# Allegro board RK3588S_Template_LP4XD556P164SD10H2_33X33_2133MHz_H1R0_V10_20220315YWQ.brd (continued)
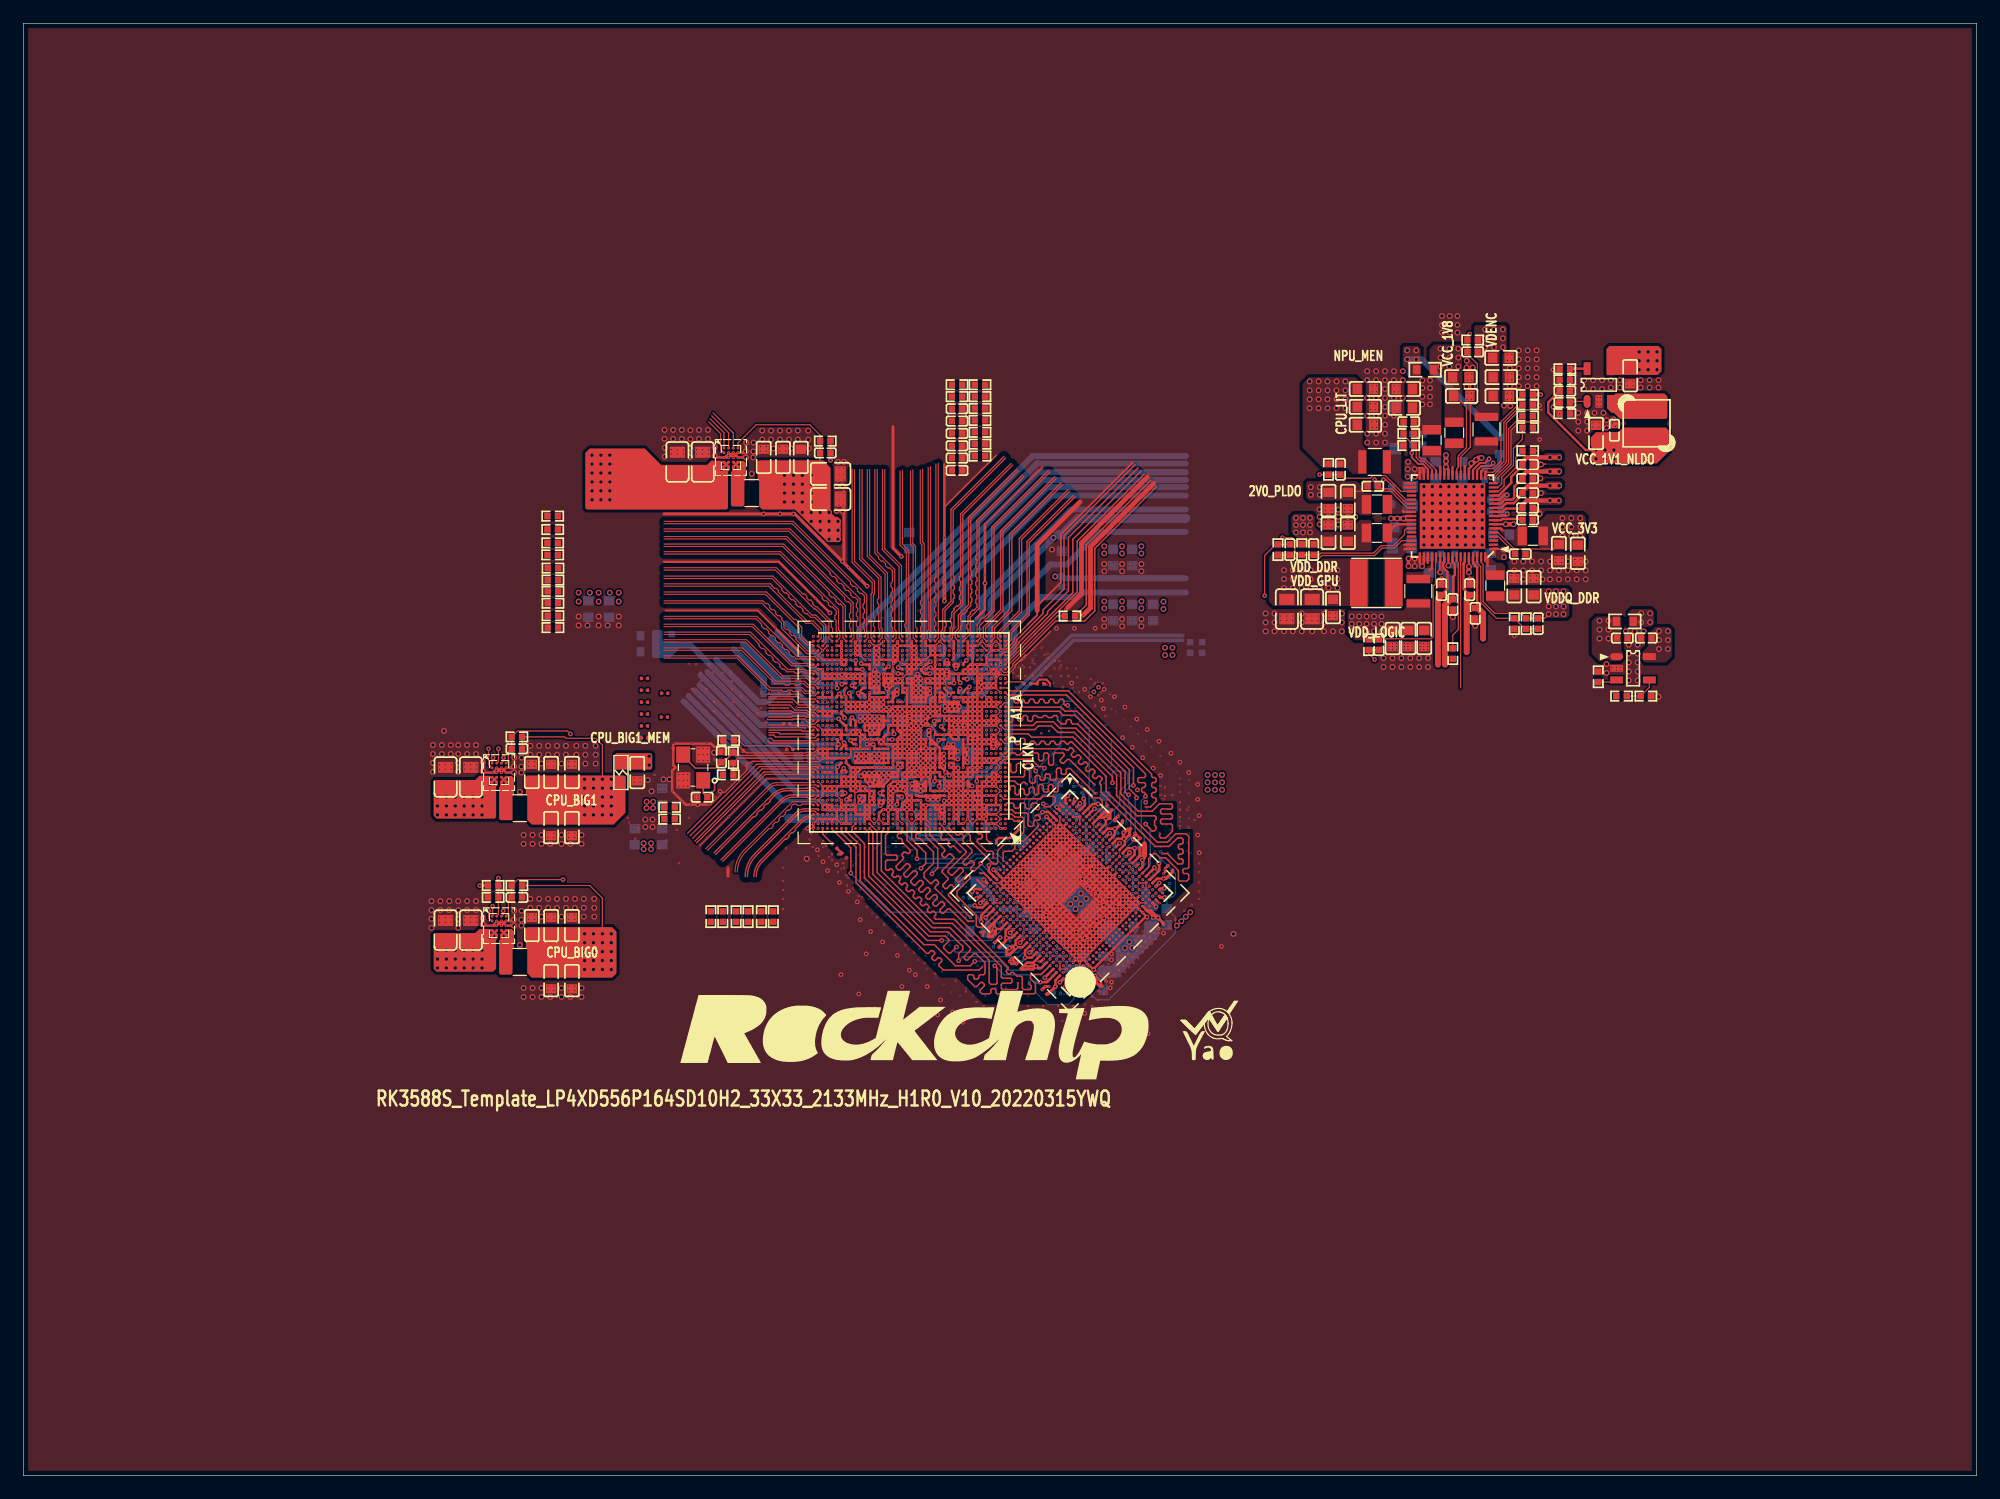
[diagram p0: board, top side]
## Copper pours and planes (outline as drawn; the poured copper is in the pictures) (continued)
VDD2_DDR_S3 on BOTTOM (solid shape): 92.96,56.96 92.96,56.3 92.67,56.01 92.39,56.01 92.29,56.12 92.16,56.19 92.14,56.19 91.95,56.39 91.95,56.64 91.82,56.77 91.57,56.77 91.44,56.9 91.44,57.15 91.57,57.15 91.89,57.04 92.16,57.25 92.17,57.28 92.65,57.28
VDD2_DDR_S3 on BOTTOM (solid shape): 82.32,47.88 82.4,47.85 82.43,47.77 82.42,47.77 82.42,47.5 83.06,46.86 83.06,46.4 82.63,45.97 81.91,45.97 81.79,46.1 81.79,46.86 81.92,46.99 81.93,47 82.19,47.33 81.95,47.67 81.91,47.68 81.91,47.75 82.04,47.88
VDD2_DDR_S3 on BOTTOM (solid shape): 97.09,47.95 97.09,47.89 97.14,47.89 97.16,47.88 97.16,47.62 97.13,47.6 97.09,47.6 97.09,47.56 97.03,47.5 97.03,46.1 93.47,42.55 92.71,42.55 92.46,42.29 91.82,42.29 91.57,42.04 91.44,42.04 91.4,42.08 91.4,42.12 91.35,42.12 91.31,42.16 91.31,42.76 91.35,42.84 91.42,42.86 91.66,42.93 91.8,43.14 91.8,43.16 91.82,43.18 91.82,43.43 91.95,43.56 92.96,43.56 93.34,43.94 93.34,44.7 91.69,46.36 91.69,46.61 92.36,47.27 92.38,47.28 92.53,47.34 92.65,47.47 92.66,47.5 92.84,47.5 94.11,46.23 95.63,46.23 95.76,46.36 95.76,47.24 95.88,47.37 96,47.37 96.14,47.37 96.19,47.42 96.34,47.63 96.31,47.88 96.3,47.91 96.39,48.01 97.03,48.01
VDD2_DDR_S3 on TOP: 119.51,88.9 121.03,88.9 121.16,89.03 121.16,93.6 120.9,93.85 118.36,93.85 118.24,93.73 118.24,90.81 118.49,90.55 118.49,88.77 118.62,88.65 119.25,88.65
VDD2_DDR_S3 on L4-POWER1: 105.03,98.68 119.63,98.68 120.71,97.6 120.71,90.49 118.74,88.52 111.63,88.52 107.44,84.33 107.44,80.52 106.81,79.88 106.81,58.42 106.68,58.29 100.08,58.29 99.82,58.55 99.82,93.47
VDD2_DDR_S3 on L5-POWER2: 80.58,50.66 89.07,59.14 90.68,59.14 92.11,60.58 102.62,60.58 103.99,59.21 103.99,50.77 93.22,40 84.45,40 80.58,43.88
VDD_0V75_S3 on TOP: 130.05,87.38 131.32,87.38 131.44,87.25 131.44,86.87 131.32,86.74 129.92,86.74 129.79,86.87 129.79,87.12
VDD_CPU_BIG0_S0 on TOP (solid shape): 50.67,46.48 50.67,42.93 50.29,42.55 43.43,42.55 43.05,42.93 43.05,44.96 42.93,45.09 42.93,46.74 43.05,46.86 50.29,46.86
VDD_CPU_BIG0_S0 on BOTTOM (solid shape): 75.06,60.45 75.06,59.79 74.75,59.49 74.18,59.49 74.18,59.42 74.05,59.42 73.66,59.03 73.56,59.03 73.5,59.05 73.47,59.05 73.41,59.05 73.15,59.05 72.9,58.8 72.52,58.8 72.14,58.42 71.88,58.42 71.88,58.8 72.01,58.93 72.19,58.93 72.21,58.98 72.21,59.09 72.23,59.12 72.25,59.17 72.39,59.31 72.39,59.56 72.29,59.67 72.27,59.65 72.24,59.67 72.08,59.68 71.95,59.6 71.93,59.59 71.92,59.59 71.84,59.59 71.76,59.56 71.4,59.56 71.39,59.57 71.27,59.59 71.16,59.57 71.15,59.56 70.76,59.56 70.68,59.59 70.61,59.59 70.59,59.59 70.48,59.69 70.48,59.94 70.53,59.95 70.59,59.97 70.64,60 70.7,60.06 71.62,60.06 71.73,60.17 71.91,60.17 71.91,60.19 72.38,60.19 72.4,60.17 72.63,60.17 72.65,60.19 72.71,60.19 72.96,60.45 74.04,60.45 74.29,60.71 74.8,60.71
VDD_CPU_BIG0_S0 on BOTTOM: 55.07,54.53 51.89,54.53 51.64,54.28 51.64,53.52 52.02,53.14 54.94,53.14 55.32,53.52 55.32,54.28
VDD_CPU_BIG0_S0 on L5-POWER2: 75.23,60.5 74.88,60.86 74.52,60.86 74.14,60.48 70.75,60.48 70.26,59.99 64.31,59.99 61.07,56.76 56.78,56.76 54.31,54.28 49.45,54.28 46.61,51.44 46.61,43.05 46.93,42.74 47.43,42.74 47.5,42.67 63.63,42.67 63.88,42.93 63.88,48.77 68.71,53.59 70.36,53.59 71.63,54.86 75.31,54.86 75.44,54.99 75.44,59.51 75.23,59.72
VDD_CPU_BIG0_S0 on L6-S2: 74.45,59.21 74.45,59.11 73.89,58.55 73.86,58.55 73.86,58.34 73.23,57.71 73.23,57.66 72.64,57.07 72.64,56.77 70.23,54.36 70.23,48.01 65.02,42.8 46.86,42.8 46.61,43.05 46.61,52.12 54.61,60.12 60.15,60.12 61.37,61.34 70.48,61.34 70.61,61.21 70.61,60.88 70.56,60.83 70.56,60.76 70.95,60.36 73.88,60.36 74.42,60.91 74.88,60.91 75.23,60.55 75.23,59.99
VDD_CPU_BIG1_MEM_S0 on TOP (solid shape): 53.72,61.59 53.72,60.45 53.59,60.33 50.55,60.33 50.55,61.59 50.67,61.72 53.59,61.72
VDD_CPU_BIG1_MEM_S0 on L6-S2: 72.91,63.29 72.97,63.22 72.97,62.1 72.85,61.97 71.11,61.97 70.76,61.62 70.71,61.62 70.69,61.59 61.24,61.59 60.02,60.38 53.29,60.38 53.21,60.45 53.21,62.99 53.51,63.29
VDD_CPU_BIG1_S0 on TOP (solid shape): 51.43,59.69 51.43,56.64 50.42,55.63 43.43,55.63 43.05,56.01 43.05,58.04 42.93,58.17 42.93,59.69 43.05,59.82 51.31,59.82
VDD_CPU_BIG1_S0 on BOTTOM (solid shape): 71.37,62.1 71.37,61.98 71.49,61.98 71.5,61.97 74.8,61.97 74.93,61.85 74.93,61.21 74.8,61.09 74.29,61.09 74.17,61.21 73.3,61.21 73.15,61.07 72.74,61.07 72.74,61.07 72.58,61.07 72.58,60.91 72.44,60.77 72.34,60.77 72.33,60.78 72.22,60.8 72.1,60.78 72.09,60.77 71.64,60.77 71.58,60.77 71.07,60.77 71.01,60.83 70.87,60.83 70.74,60.96 70.74,61.09 70.48,61.34 69.72,61.34 69.52,61.13 69.4,61.13 69.13,60.86 67.03,60.86 66.93,60.96 66.93,61.59 67.18,61.85 69.36,61.85 69.42,61.83 69.47,61.83 69.49,61.83 69.6,61.72 70.75,61.72 70.75,61.86 70.99,62.1 71.37,62.1
VDD_CPU_BIG1_S0 on BOTTOM: 53.21,56.69 54.94,56.69 55.19,56.95 55.19,57.84 55.07,57.96 53.21,57.96 52.96,57.71 52.96,56.95
VDD_CPU_BIG1_S0 on L5-POWER2: 73.38,62.73 68.07,62.73 67.81,62.99 66.55,62.99 66.42,62.87 66.42,62.86 66.29,62.73 59.82,62.73 59.05,63.5 47.24,63.5 46.99,63.25 46.99,56.77 48.84,54.91 53.97,54.91 56.83,57.77 56.91,57.77 56.97,57.84 58.12,57.84 58.37,57.58 60.91,57.58 63.99,60.66 70.65,60.66 70.87,60.88 73.23,60.88 73.38,61.04
VDD_CPU_BIG1_S0 on L8-S3: 49.1,63.93 61.54,63.93 61.8,63.68 66.42,63.68 66.55,63.55 66.55,62.74 66.93,62.36 68.58,62.36 69.09,61.85 69.98,61.85 70.23,62.1 71.75,62.1 71.88,62.23 71.88,62.48 72.01,62.61 72.64,62.61 72.77,62.48 72.77,62.23 72.9,62.1 73.15,62.1 73.28,61.98 73.28,61.21 73.15,61.09 70.74,61.09 70.36,60.71 70.1,60.71 69.21,59.82 69.21,58.55 67.82,57.15 66.55,57.15 61.21,51.82 47.62,51.82 47.12,52.32 47.12,61.95
VDD_CPU_LIT_S0 on BOTTOM (solid shape): 70.48,65.41 72.02,65.41 72.12,65.34 72.23,65.31 72.24,65.3 72.24,65.14 72.39,65.14 72.39,65.07 72.71,65.07 72.87,64.97 72.87,64.98 73.02,65.07 73.17,65.07 73.25,64.95 73.25,64.95 73.3,64.86 73.51,64.95 74.12,64.95 74.12,64.06 73.58,64.06 73.27,63.74 73.27,63.37 72.77,63.37 72.72,63.42 72.72,63.47 72.17,63.47 72.14,63.5 72.14,64.26 72.09,64.31 71.07,64.31 71.07,64.56 71.13,64.69 71.13,64.85 71.13,64.88 71.11,64.91 70.98,65.07 70.78,65.12 70.64,65.1 70.52,65.02 70.36,65.02 69.98,65.41 69.98,65.53 70.36,65.53
VDD_CPU_LIT_S0 on TOP: 113.54,85.6 113.03,86.11 111,86.11 109.28,87.82 109.28,93.28 109.85,93.85 113.79,93.85 114.43,93.22 114.43,88.01 114.68,87.76 114.68,85.6
VDD_CPU_LIT_S0 on BOTTOM: 50.85,74.09 51.18,74.42 51.18,75.56 50.88,75.87 47.42,75.87 47.12,75.56 47.12,74.42 47.45,74.09
VDD_CPU_LIT_S0 on L5-POWER2: 55.88,108.78 115.76,108.78 120.78,103.76 120.78,89.66 116.59,85.47 111.38,85.47 108.84,88.01 108.84,93.22 106.43,95.63 74.55,95.63 70.1,91.19 70.1,89.03 68.07,87 64.26,87 59.44,82.17 59.44,72.64 65.23,66.85 65.28,66.85 65.46,66.67 68.2,66.67 69.04,65.84 70.18,65.84 70.23,65.79 70.66,65.79 70.87,65.58 71.58,65.58 72.03,65.13 73.28,65.13 73.28,65.02 73.41,64.9 73.41,64.39 73.02,64.01 73.02,63.12 71.25,63.12 70.99,63.37 69.72,63.37 69.57,63.22 68.17,63.22 68.14,63.25 59.82,63.25 59.18,63.88 46.48,63.88 46.23,64.14 46.23,77.34 51.31,82.42 51.31,104.2
VDD_CPU_LIT_S0 on L6-S2: 72.74,63.34 53.16,63.34 52.82,63.68 46.81,63.68 46.48,64.01 46.48,86.61 67.31,107.44 112.27,107.44 114.17,105.54 114.17,91.31 113.79,90.93 73.28,90.93 68.58,86.23 64.52,86.23 62.48,84.2 62.48,80.64 62.1,80.26 62.1,75.06 62.67,74.49 62.8,74.49 69.21,68.07 69.21,66.29 69.34,66.17 70.23,66.17 70.23,66.08 70.48,65.83 72.83,65.83 73.41,65.25 73.41,64.39 73.41,64.39 73.02,64.01 73.02,63.63
VDD_DDR_S0 on BOTTOM (solid shape): 79.38,62.99 80.11,62.99 80.21,62.89 80.21,61.62 80.06,61.47 80.06,61.11 80.01,61.06 79.66,61.06 79.58,61.14 79.45,61.14 79.32,61.26 79.32,61.65 78.94,62.03 78.94,62.53 78.87,62.61 78.87,62.99 78.99,63.12 79.25,63.12
VDD_DDR_S0 on BOTTOM (solid shape): 77.42,59.49 77.42,58.98 76.91,58.47 76.91,58.17 76.83,58.09 75.51,58.09 75.39,58.22 75.39,58.28 75.41,58.3 75.52,58.48 75.52,58.69 75.51,58.7 75.51,59.23 75.57,59.29 76.41,59.29 76.41,59.36 76.53,59.36 76.78,59.61 77.29,59.61
VDD_DDR_S0 on TOP: 108.84,80.14 108.33,80.64 108.33,81.91 108.58,82.17 110.11,82.17 110.36,81.91 110.36,81.03 110.74,80.64 113.79,80.64 113.79,81.28 114.17,81.66 115.06,81.66 115.19,81.53 115.19,79.12 115.06,78.99 110.87,78.99 110.62,79.25 108.97,79.25 108.84,79.38
VDD_DDR_S0 on L4-POWER1: 77.81,62.01 77.81,63.33 78.16,63.68 80.09,63.68 80.21,63.55 80.21,62.15 80.47,61.9 80.47,60.96 81.03,60.4 81.03,58.55 80.14,57.66 78.54,57.66 78.28,57.91 75.95,57.91 75.65,58.2 75.65,59.23 75.77,59.35 76.88,59.35 77.93,60.4 77.93,61.9
VDD_DDR_S0 on L4-POWER1: 101.73,33.53 82.42,33.53 81.91,34.04 81.91,39.75 82.36,40.2 93.28,40.2 107.82,54.74 107.82,82.8 108.2,83.19 117.98,83.19 119.25,81.91 119.25,79.12 120.52,77.85 120.52,52.32
VDD_DDR_S0 on L5-POWER2: 77.22,59.31 75.82,59.31 75.69,59.18 75.69,58.04 75.95,57.78 76.58,57.78 76.96,58.17 78.23,58.17 78.36,58.29 79.12,58.29 80.01,59.18 80.01,62.23 79.63,62.61 78.74,62.61 78.61,62.48 78.61,62.23 78.74,62.1 78.74,60.83
VDD_DDR_S0 on L6-S2: 73.48,57.2 73.48,57.78 75.03,59.33 75.06,59.33 75.16,59.44 76.2,59.44 76.45,59.69 77.09,59.69 77.22,59.82 77.98,59.82 78.87,58.93 80.14,58.93 80.64,58.42 80.64,56.26 81.03,55.88 81.66,55.88 82.42,55.12 82.42,53.21 81.79,52.58 81.28,52.58 81.15,52.45 81.15,51.94 80.9,51.69 80.9,50.8 78.99,48.89 78.99,46.74 80.64,45.09 80.64,43.81 84.96,39.5 84.96,37.21 84.45,36.7 81.91,36.7 81.79,36.83 81.15,36.83 70.74,47.24 70.74,54.46
VDD_GPU_S0 on BOTTOM (solid shape): 76.2,68.71 76.58,68.71 76.73,68.56 76.73,68.33 76.8,68.23 76.92,68.18 76.96,68.17 76.96,68.07 77.09,67.94 77.09,67.69 77.33,67.45 77.36,67.47 77.39,67.49 77.55,67.49 77.63,67.41 77.62,67.3 77.66,67.18 77.64,67.14 77.6,67.02 77.62,66.89 77.63,66.83 77.66,66.78 77.67,66.75 77.67,66.73 77.69,66.7 77.7,66.63 77.76,66.63 77.78,66.61 77.79,66.61 77.8,66.6 77.93,66.6 78.05,66.47 78.05,66.22 77.93,66.09 77.55,66.09 77.42,65.96 77.27,65.96 77.16,65.86 77.11,65.83 77.06,65.79 76.71,65.79 76.66,65.84 75.9,65.84 75.9,65.91 75.71,65.91 75.71,65.94 75.66,65.94 75.56,66.04 75.26,66.04 75.26,66.5 75.56,66.8 75.56,68.96 75.69,69.09 75.82,69.09
VDD_GPU_S0 on TOP: 110.74,78.11 108.58,78.11 108.33,78.36 108.33,78.74 108.08,78.99 106.93,78.99 106.43,78.49 106.43,74.68 106.81,74.3 114.81,74.3 114.94,74.42 114.94,78.23 114.81,78.36 111,78.36
VDD_GPU_S0 on BOTTOM: 75.31,79.76 75.06,79.5 75.06,78.87 75.18,78.74 76.2,78.74 76.33,78.87 76.33,79.63 76.2,79.76
VDD_GPU_S0 on BOTTOM: 92.2,78.49 95.63,78.49 95.76,78.61 95.76,79.5 95.63,79.63 92.2,79.63 92.07,79.5 92.07,78.61
VDD_GPU_S0 on L5-POWER2: 75.44,66.6 75.36,66.67 75.31,66.67 75.31,66.8 74.94,67.17 74.41,67.17 73.89,67.69 73.89,71.75 70.74,74.9 70.74,90.81 74.99,95.06 106.11,95.06 108.33,92.84 108.33,87.25 110.49,85.09 111.38,85.09 112.78,83.69 112.78,75.82 112.52,75.56 103.76,75.56 98.81,80.52 82.77,80.52 79.38,77.13 79.38,74.3 79.25,74.17 79.21,74.17 78.53,73.49 78.53,72.15 78.01,71.63 78.01,70.5 77.98,70.48 77.98,67.82 77.85,67.69 77.85,66.8 77.65,66.6
VDD_GPU_S0 on L6-S2: 76.35,66.52 76.28,66.6 75.44,66.6 74.96,67.08 74.93,67.08 74.7,67.31 73.89,67.31 73.79,67.41 73.56,67.41 73.38,67.59 73.38,72.14 73.39,72.15 73.39,72.63 73.41,72.64 73.41,72.77 70.74,75.44 70.74,88.01 73.28,90.55 113.54,90.55 114.43,89.66 114.43,77.47 111.63,74.68 107.24,74.68 105.16,76.76 89.41,76.76 88.7,77.47 81.79,77.47 80.77,76.45 80.77,75.82 79.63,74.68 79.63,73.28 78.99,72.64 78.99,71.12 78.23,70.36 78.23,66.65 78.1,66.52
VDD_LOGIC_S0 on BOTTOM (solid shape): 79.12,65.94 79.75,65.94 79.75,65.96 80.06,65.96 80.12,65.75 80.31,65.74 80.34,65.71 80.67,65.71 80.74,65.7 80.85,65.71 80.9,65.66 80.9,65.15 80.85,65.11 80.19,65.11 80.19,65.07 79.71,65.07 79.58,65.2 79.58,65.58 78.31,65.58 78.31,65.86 78.41,65.96 79.12,65.96
VDD_LOGIC_S0 on L9-GND3 (solid shape): 70.87,65.79 70.87,65.22 70.84,65.15 70.77,65.12 70.65,65.09 70.55,65.02 70.35,65.02 70.15,65.08 69.96,65.02 69.21,65.02 68.2,64.01 68.2,62.74 69.21,61.72 69.98,61.72 70.1,61.59 70.1,61.21 69.98,61.09 69.98,60.96 69.6,60.96 69.54,60.91 69.52,60.9 69.39,60.86 69.29,60.76 69.22,60.57 69.27,60.37 69.44,60.22 69.67,60.22 69.7,60.22 69.82,60.11 69.99,60.11 70.08,60.09 70.17,60.1 70.19,60.11 70.97,59.33 70.97,59.26 70.99,59.2 70.99,58.93 70.61,58.93 70.1,59.44 68.71,59.44 68.07,60.07 68.07,61.47 67.69,61.85 67.69,64.52 68.83,65.66 70.16,65.66 70.22,65.65 70.48,65.91 70.74,65.91
VDD_LOGIC_S0 on TOP: 113.16,72.01 113.79,71.37 115.82,71.37 116.2,71.75 120.01,71.75 120.27,72.01 120.27,74.8 120.14,74.93 118.24,74.93 118.11,74.8 118.11,74.17 117.86,73.91 113.28,73.91 113.16,73.79
VDD_LOGIC_S0 on BOTTOM: 92.27,73.66 91.38,72.77 87.76,72.77 86.99,72.01 86.99,71.25 84.65,68.9 84.65,68.52 84.45,68.33 84.45,67.69 81.91,65.15 80.14,65.15 80.14,65.41 80.39,65.66 80.9,65.66 81.66,66.42 82.04,66.42 82.68,67.06 82.68,67.69 84.07,69.09 84.07,69.47 85.09,70.48 85.09,72.64 87.12,74.68 90.3,74.68 90.55,74.93 95.63,74.93 95.76,74.8 95.76,73.91 95.5,73.66
VDD_LOGIC_S0 on L4-POWER1: 78.36,65.38 76.43,65.38 76.2,65.15 75.31,65.15 75.08,65.38 74.12,65.38 73.3,66.19 71.37,66.19 71.12,66.45 71.12,66.93 71.37,67.18 72.05,67.18 72.14,67.09 74.29,67.09 74.55,66.84 75.44,66.84 75.44,66.55 75.82,66.17 76.2,66.17 76.62,66.59 76.67,66.59 76.76,66.5 79.55,66.5 80.26,65.79 80.26,65.15 79.88,64.77 78.97,64.77
VDD_LOGIC_S0 on L5-POWER2: 78.41,65.35 77.48,65.35 77.44,65.38 76.61,65.38 76.58,65.41 76.45,65.41 76.2,65.15 75.44,65.15 75.12,65.47 72.45,65.47 71.96,65.96 71.15,65.96 71.02,66.09 71.02,67.21 71.09,67.28 74.5,67.28 74.57,67.21 74.57,66.9 75.11,66.36 78.41,66.36 78.41,67.4 78.37,67.45 78.37,68.06 78.49,68.18 78.49,71.5 79.12,72.14 79.12,73.03 79.88,73.79 79.88,76.84 82.69,79.64 88.26,79.64 88.89,80.26 98.68,80.26 103.5,75.44 111.89,75.44 111.95,75.37 115.76,75.37 116.33,74.8 116.33,71.12 113.54,68.33 102.11,68.33 98.42,72.01 86.99,72.01 84.24,69.25 84.24,66.26 82.42,64.44 78.56,64.44 78.41,64.59
VDD_LOGIC_S0 on L6-S2: 80.01,65.38 79.12,65.38 78.89,65.15 78.59,65.15 78.36,65.38 76.58,65.38 76.35,65.15 75.29,65.15 75.06,65.38 74.12,65.38 73.3,66.19 70.97,66.19 70.97,67.11 71.12,67.26 71.88,67.26 72.05,67.09 74.29,67.09 74.55,66.84 75.1,66.84 75.77,66.17 76.5,66.17 76.83,66.5 79.71,66.5 80.14,66.07 80.14,65.51
VDD_LOGIC_S0 on L8-S3: 98.86,71.37 99.81,70.42 115.89,70.42 116.33,70.87 116.33,78.11 115.06,79.38 107.44,79.38 103.31,83.5 81.8,83.5 80.09,81.79 80.09,73.33 80.14,73.28 80.14,71.5 80.01,71.37 80.01,70.23 80.26,69.98 80.64,69.98 80.9,69.72 80.9,68.96 80.26,68.33 80.26,67.31 79.88,66.93 79.38,66.93 78.49,66.04 78.49,65.28 78.61,65.15 78.74,65.15 79.25,65.66 79.76,65.66 80.14,65.28 80.14,64.77 80.26,64.64 82.04,64.64 84.58,67.18 84.58,69.85 86.11,71.37
VDD_NPU_S0 on TOP (solid shape): 68.96,86.11 68.96,82.3 69.34,81.91 69.57,81.91 69.82,81.66 69.82,79.88 69.7,79.76 68.71,79.76 66.03,82.45 66.01,82.45 65.91,82.55 63.12,82.55 62.86,82.8 62.86,84.96 62.74,85.09 62.74,86.61 62.86,86.74 68.33,86.74
VDD_NPU_S0 on BOTTOM (solid shape): 72.77,70.39 72.68,70.16 72.76,69.92 72.77,69.91 72.77,69.85 73.1,69.52 73.48,69.52 73.53,69.47 73.53,69.09 73.57,69.05 73.61,68.93 73.64,68.9 73.66,68.87 73.69,68.84 73.74,68.81 73.74,68.64 73.7,68.61 73.66,68.58 73.63,68.55 73.6,68.52 73.52,68.52 73.43,68.5 73.23,68.5 73.23,66.8 73.15,66.73 72.34,66.73 72.34,68.71 72.39,68.76 72.39,70.61 72.52,70.74 72.77,70.74
VDD_NPU_S0 on BOTTOM: 66.17,82.04 66.17,82.55 65.91,82.8 64.9,82.8 64.64,83.06 64.64,85.6 65.15,86.11 68.45,86.11 69.09,85.47 69.09,82.3 69.98,81.41 69.98,80.01 69.72,79.76 68.45,79.76
VDD_NPU_S0 on L3-S1: 67.69,79.63 69.72,79.63 69.85,79.76 69.85,81.91 67.69,84.07 67.69,85.6 67.44,85.85 64.9,85.85 64.64,85.6 64.64,82.68
VDD_NPU_S0 on L5-POWER2: 73.66,71.63 73.66,67.51 73.53,67.39 65.71,67.39 60.2,72.9 60.2,81.79 64.64,86.23 70.36,86.23 70.48,86.11 70.48,74.8
VDD_NPU_S0 on L6-S2: 71.51,67.45 71.32,67.64 71.32,67.67 70.31,68.68 69.62,68.68 62.86,75.44 62.86,83.95 64.77,85.85 70.36,85.85 70.42,85.79 70.42,75.44 73.1,72.76 73.1,69.01 73.33,68.78 73.33,67.51 73.34,67.5 73.15,67.31 71.64,67.31 71.51,67.44
VDD_NPU_S0 on L8-S3: 74.5,66.6 74.42,66.67 74.42,67.18 75.06,67.82 75.06,68.07 75.44,68.45 75.44,71.35 75.45,71.36 75.45,71.74 74.93,72.26 74.93,72.39 74.42,72.9 72.77,72.9 64.26,81.41 64.26,85.47 64.77,85.98 69.72,85.98 73.91,81.79 73.91,78.87 74.68,78.11 79.38,78.11 79.63,77.85 79.63,72.77 79.5,72.64 79.5,70.74 79.38,70.61 77.6,70.61 77.09,70.1 76.71,70.1 76.2,69.6 76.2,68.58 74.93,67.31 74.93,66.85 74.68,66.6
VDD_NPU_S0 on L9-GND3: 69.85,79.88 69.72,79.76 68.71,79.76 65.79,82.68 64.9,82.68 64.64,82.93 64.64,85.6 64.9,85.85 67.44,85.85 67.69,85.6 67.69,83.95 69.85,81.79
VDD_VDENC_S0 on BOTTOM (solid shape): 78.49,64.64 77.85,64.01 77.85,63.75 77.6,63.5 77.6,63.42 77.53,63.36 77.53,63.04 77.28,62.79 76.91,62.79 76.91,62.95 76.91,63.49 76.91,63.55 77.17,63.8 77.22,63.8 77.29,63.88 77.34,63.88 77.37,63.91 77.55,63.91 77.55,64.04 77.57,64.08 77.6,64.14 77.6,64.52 77.69,64.61 77.75,64.66 77.82,64.69 77.89,64.66 77.99,64.75 78,64.76 78.1,64.8 78.17,64.87 78.22,64.87 78.26,64.87
VDD_VDENC_S0 on TOP: 125.98,90.17 126.11,90.3 126.11,96.01 126.24,96.14 126.62,96.14 126.75,96.27 126.75,98.17 126.62,98.3 124.08,98.3 123.95,98.17 123.95,95.63 124.4,95.19 124.4,91.63 123.95,91.19 123.95,90.3 124.08,90.17
VDD_VDENC_S0 on BOTTOM: 78.06,61.01 78.06,61.64 78.25,61.83 78.76,61.83 79.07,61.52 79.07,60.5 79.5,60.07 79.5,59.82 79.38,59.69 78.1,59.69 78.1,60.96
VDD_VDENC_S0 on BOTTOM: 97.54,73.79 97.66,73.91 97.66,74.93 97.54,75.06 96.14,75.06 96.01,74.93 96.01,73.91 96.14,73.79
VDD_VDENC_S0 on L5-POWER2: 82.93,63.25 82.93,62.99 83.69,62.23 87.12,62.23 89.92,65.02 99.44,65.02 100.33,65.91 100.33,69.47 98.23,71.56 87.19,71.56 84.71,69.09 84.71,65.91 82.68,63.88 81.53,63.88 81.41,63.75 78.87,63.75 78.61,64.01 77.34,64.01 77.09,63.75 77.09,63.25 77.22,63.12 80.64,63.12 80.9,63.37 81.15,63.37 81.28,63.25
VDD_VDENC_S0 on L6-S2: 122.43,65.02 127.13,69.72 127.13,78.11 132.33,83.31 132.33,97.66 131.71,98.29 124.7,98.29 124.46,98.04 124.46,92.71 120.65,88.9 117.98,88.9 115.06,85.98 115.06,77.09 112.14,74.17 106.3,74.17 104.52,75.95 82.55,75.95 80.77,74.17 80.77,71.35 79.45,70.03 79.45,68.12 79.07,67.74 79.07,67.11 79.58,66.6 80.09,66.6 80.21,66.47 80.21,65.46 80.09,65.33 78.18,65.33 78.06,65.21 78.06,60.12 78.87,59.31 83.57,59.31 89.28,65.02
VDDA_0V75_S0 on BOTTOM (solid shape): 81.48,68.76 81.53,68.71 80.64,67.82 80.52,67.82 80.34,68 80.34,68.25 80.59,68.25 80.59,68.35 80.67,68.42 80.67,68.63 80.59,68.71 80.59,68.76 80.72,68.88 81.48,68.88
VDDA_0V75_S0 on BOTTOM (solid shape): 79.36,68.83 79.45,68.7 79.59,68.62 79.63,68.61 79.63,68.43 79.58,68.43 79.58,67.82 79.65,67.79 79.68,67.72 79.7,67.63 79.55,67.49 79.35,67.69 78.74,67.69 78.74,68.03 78.77,68.1 78.85,68.13 79.19,68.29 79.19,68.66
VDDA_0V75_S0 on TOP: 130.05,84.84 130.05,84.45 130.3,84.2 131.19,84.2 131.44,84.45 131.44,84.84 131.32,84.96 130.17,84.96
VDDA_0V85_S0 on TOP: 131.32,83.57 131.44,83.44 131.44,83.06 131.32,82.93 129.54,82.93 129.29,83.19 129.29,83.31 129.54,83.57
VDDQ_DDR on BOTTOM (solid shape): 96.27,50.04 96.27,49.28 96.39,49.15 96.77,49.15 96.9,49.02 96.9,48.39 96.77,48.26 96.29,48.26 96.16,48.13 95.88,48.13 95.76,48.26 95.76,49.02 95.5,49.28 95.5,50.04 95.63,50.16 96.14,50.16
VDDQ_DDR on BOTTOM (solid shape): 91.07,43.55 91.07,43.07 91.06,43.05 91.06,42.42 90.96,42.32 90.96,42.29 90.17,42.29 90.04,42.42 90.04,42.8 90,42.84 90,42.86 89.98,42.86 89.92,42.93 89.03,42.93 88.9,43.05 88.9,43.56 89.03,43.69 90.93,43.69
VDDQ_DDR on BOTTOM (solid shape): 82.42,50.8 82.42,50.29 82.8,49.91 82.8,49.53 82.93,49.4 83.06,49.4 83.18,49.28 83.18,49.02 82.93,48.77 82.8,48.77 82.68,48.89 82.68,49.28 81.79,50.16 81.31,50.16 81.15,50.25 80.97,50.25 80.95,50.25 80.9,50.29 80.9,51.18 82.04,51.18
VDDQ_DDR on BOTTOM (solid shape): 88.89,58.17 88.89,58.15 88.88,58.06 88.9,57.97 88.9,57.66 89.92,56.64 89.98,56.64 90.06,56.56 90.14,56.64 90.17,56.64 90.42,56.39 90.42,56.13 90.3,56.01 89.92,56.01 89.64,56.29 89.64,56.32 89.6,56.32 89.53,56.39 89.16,56.39 89.15,56.39 89.05,56.41 88.95,56.39 88.94,56.39 88.77,56.39 87.88,57.28 87.88,58.17 88.01,58.29 88.77,58.29
VDDQ_DDR on BOTTOM (solid shape): 91.57,53.21 91.44,53.09 90.55,53.09 90.3,52.83 90.3,52.32 90.04,52.07 90.04,51.94 90.3,51.69 90.3,51.44 90.04,51.18 90.04,50.55 91.82,48.77 91.82,48.01 91.06,47.24 90.93,47.24 90.04,48.13 89.15,48.13 88.26,49.02 88.01,49.02 87.96,48.97 87.95,48.97 87.84,48.9 87.77,48.8 87.75,48.77 87.63,48.77 87.38,49.02 87.12,49.02 86.83,48.73 86.82,48.73 86.62,48.63 86.53,48.44 86.52,48.42 86.11,48.01 86.11,47.65 84.94,47.65 84.84,47.75 84.84,47.88 84.96,48.01 85.09,48.01 85.34,48.26 85.34,48.51 85.47,48.64 85.98,48.64 86.11,48.77 86.11,49.4 86.87,50.16 86.87,50.67 85.6,51.94 85.6,52.2 86.87,53.47 86.99,53.47 88.01,52.45 88.9,52.45 89.66,53.21 90.04,53.21 90.23,53.4 90.48,53.4 90.48,53.53 90.55,53.59 90.55,53.85 90.8,53.85 90.99,54.03 91.07,54.03 91.07,54.11 91.19,54.23 91.57,54.23
VDDQ_DDR on L6-S2: 83.57,45.85 83.57,46.1 83.82,46.36 84.2,46.36 84.71,46.86 84.71,47.12 83.44,48.39 82.55,48.39 82.17,48.01 81.41,48.01 81.15,48.26 81.15,48.89 81.28,49.02 81.41,49.02 81.53,48.89 82.17,48.89 82.42,49.15 82.42,49.28 82.17,49.53 81.79,49.53 81.66,49.66 81.66,51.05 81.91,51.31 81.91,51.69 82.42,52.2 82.42,52.7 83.44,53.72 85.6,53.72 87.63,55.75 87.63,57.15 88.01,57.53 90.04,57.53 90.17,57.66 90.17,57.78 90.42,58.04 90.8,58.04 91.69,57.15 91.69,56.9 90.93,56.13 90.93,55.12 91.31,54.74 92.58,54.74 92.96,55.12 92.96,55.5 93.22,55.75 93.98,55.75 94.49,55.24 94.49,54.48 93.73,53.72 93.22,53.72 93.22,53.59 93.34,53.47 93.98,53.47 94.74,54.23 95.12,54.23 95.5,53.85 95.5,52.7 95.38,52.58 94.61,52.58 94.49,52.45 94.49,51.94 94.74,51.69 97.16,51.69 97.66,51.18 97.66,50.93 97.54,50.8 97.28,50.8 97.16,50.93 96.77,50.93 96.14,50.29 96.14,49.4 96.65,48.89 96.9,48.89 97.03,48.77 97.03,48.51 96.9,48.39 95,48.39 90.8,44.2 90.8,42.29 90.68,42.16 90.42,42.16 90.3,42.29 89.66,42.29 88.9,41.53 87.63,41.53 87.5,41.66 87.5,43.18 86.99,43.69 85.72,43.69 85.09,44.32 85.09,44.58 85.72,45.21 85.72,45.97 85.6,46.1 85.47,46.1 84.58,45.21 84.2,45.21
VDDQ_DDR_S0 on BOTTOM (solid shape): 80.85,62.41 80.85,62.28 80.98,62.15 81.99,62.15 82.12,62.03 82.12,61.77 81.99,61.65 81.74,61.65 81.61,61.52 81.61,60.88 81.48,60.76 80.44,60.76 80.31,60.88 80.31,61.37 80.47,61.52 80.47,62.53 80.72,62.53
VDDQ_DDR_S0 on BOTTOM (solid shape): 78.44,57.96 78.24,57.77 78.24,57.32 78.22,57.29 78.22,57.02 78.17,56.91 78.16,56.82 78.17,56.72 78.22,56.62 78.22,56.12 78.1,56.01 78.1,54.99 76.96,54.99 76.96,56.76 76.99,56.8 77.01,56.83 77.04,56.89 77.11,56.92 77.44,57.28 77.11,57.63 77.04,57.66 77.01,57.73 77.01,57.91 77.18,58.08 78.04,58.08 78.18,58.22 78.44,58.22
VDDQ_DDR_S0 on TOP: 124.97,74.68 124.97,75.56 126.75,75.56 127,75.82 131.95,75.82 132.08,75.69 132.08,73.53 131.83,73.28 130.17,73.28 129.79,73.66 128.27,73.66 128.14,73.79 125.86,73.79
VDDQ_DDR_S0 on BOTTOM: 85.34,53.47 84.58,54.23 84.58,54.36 82.55,56.39 82.42,56.39 82.3,56.52 82.3,56.9 82.42,57.02 82.42,59.18 84.84,61.59 84.84,66.04 89.79,70.99 96.65,70.99 99.06,68.58 121.28,68.58 128.52,75.82 131.95,75.82 132.59,75.18 132.59,70.61 125.98,64.01 97.79,64.01 93.73,68.07 89.66,68.07 88.26,66.67 88.26,62.74 85.85,60.33 85.85,58.55 85.34,58.04 85.34,55.24 86.23,54.36
VDDQ_DDR_S0 on L5-POWER2: 85.34,55.63 84.96,55.24 83.82,55.24 80.52,51.94 78.03,51.94 76,53.98 76,57.46 76.07,57.53 76.71,57.53 77.22,58.04 79.25,58.04 80.26,59.05 80.26,61.98 80.52,62.23 82.04,62.23 82.68,61.59 83.95,61.59 84.33,61.21 84.33,57.28 85.34,56.26
VDDQ_DDR_S0 on L8-S3: 82.93,56.39 81.91,56.39 81.66,56.13 81.15,56.13 80.52,56.77 80.52,57.02 80.14,57.4 79.88,57.4 79.63,57.66 78.49,57.66 78.36,57.53 77.6,57.53 77.47,57.66 78.1,58.29 80.01,58.29 80.14,58.42 80.14,59.94 80.52,60.33 80.52,62.1 80.64,62.23 81.03,61.85 81.03,59.18 82.04,58.17 82.17,58.17 83.06,57.28 83.06,56.52
PMIC_SW1 on TOP: 116.59,79.25 117.35,79.25 117.73,79.63 119,79.63 119,78.87 118.24,78.87 117.86,78.49 117.86,74.3 117.73,74.17 116.33,74.17 116.2,74.3 116.2,78.87
PMIC_SW2 on TOP: 119,84.33 119,84.89 118.06,84.89 117.73,85.22 117.73,87.38 117.47,87.63 116.33,87.63 116.2,87.5 116.2,85.6 117.47,84.33
PMIC_SW3 on TOP: 120.27,77.98 120.27,78.87 120.52,78.87 120.52,76.45 120.27,76.2 118.24,76.2 118.11,76.33 118.11,77.09 118.24,77.22 119.51,77.22
PMIC_SW4 on TOP: 123.82,87.88 123.82,88.52 124.08,88.77 125.86,88.77 125.98,88.65 125.98,87.5 125.73,87.25 124.46,87.25 123.44,86.23 123.44,85.85 123.32,85.72 123.06,85.72 122.94,85.85 122.94,87
PMIC_SW5 on TOP: 116.08,79.76 116.08,81.28 116.2,81.41 119,81.41 119,81.15 118.24,81.15 117.86,80.77 117.86,80.52 117.09,79.76
PMIC_SW6 on TOP: 119.76,87 119.63,87 119.51,87.12 119.51,88.01 121.16,88.01 121.16,85.85 120.9,85.85
PMIC_SW7 on TOP: 116.2,82.17 118.11,82.17 118.18,82.24 119,82.24 119,82.42 118.36,82.42 116.97,83.82 116.14,83.82 116.14,82.23
PMIC_SW8 on TOP: 125.22,80.77 125.98,80.77 127.38,79.38 128.4,79.38 128.52,79.5 128.52,81.03 128.4,81.15 127.76,81.15 127.51,80.9 126.62,80.9 126.49,81.03 125.22,81.03
PMIC_SW9 on TOP: 124.71,76.45 124.71,78.87 124.73,78.88 125.03,78.88 125.03,78.8 125.86,77.98 126.36,77.98 126.62,77.72 126.62,76.58 126.49,76.45
PMIC_SW10 on TOP: 121.79,87 121.41,87.38 121.41,88.65 123.06,88.65 123.06,87.63 122.43,87 122.43,86.11 122.05,85.72 121.79,85.98
PMIC_VDC on BOTTOM: 116.71,88.27 118.11,88.27 118.24,88.39 119.89,88.39 120.01,88.27 120.01,86.61 119.89,86.49 119.25,86.49 118.62,87.12 116.71,87.12 116.59,87.25 116.59,88.14
N30961579 on TOP (solid shape): 61.6,86.61 61.72,86.49 61.72,85.09 61.59,84.96 61.59,82.93 61.47,82.8 60.58,82.8 60.45,82.93 60.45,85.72 60.64,85.91 61.34,85.91 61.34,86.61 61.59,86.61
N30962090 on TOP (solid shape): 140.46,92.2 140.46,90.42 140.33,90.3 136.4,90.3 135.89,90.81 135.69,90.81 135.31,91.19 135.31,92.32 135.89,92.32 136.03,92.46 140.21,92.46
N30962978 on TOP (solid shape): 41.78,59.69 41.91,59.56 41.91,58.17 41.78,58.04 41.78,56.01 40.77,56.01 40.64,56.13 40.64,58.8 40.83,58.99 41.53,58.99 41.53,59.69 41.78,59.69
N30963105 on TOP (solid shape): 41.78,46.61 41.91,46.48 41.91,45.09 41.78,44.96 41.78,42.93 41.66,42.8 40.77,42.8 40.64,42.93 40.64,45.72 40.83,45.91 41.53,45.91 41.53,46.61 41.78,46.61

Small or netless copper shapes (teardrops, artwork), in the pictures only: 2 on TOP, 9 on BOTTOM, 3 on L8-S3

## Text on the board
Ref Des/Silkscreen Bottom: DQ5 | DQS1P | DQS1N | FSPI | DQSON | DQSOP | DQ11
User.Comments: CR_VCAM_5 | CR_WIFI_1 | CR_0318_1 | CR_MOS_1 | CR_VCAM_2 | CR_DHPY_2 | CR_0415_2 | CR_VCAM_4 | CR_VCAM15_1 | CR_0310_2 | CR_PMU2_1 | CR_SPEAKER_1 | CR_PMIC_1 | CR_CAM_1 | CR_CAM1_2 | CR_CAM1_3
Ref Des/Silkscreen Top: CPU_BIG1 | CPU_BIG0 | CPU_BIG1_MEM | 2V0_PLDO | VDD_DDR | VDD_GPU | NPU_MEN | VDD_LOGIC | VDDQ_DDR | VCC_3V3 | VCC_1V1_NLDO | P | A1_A | CLKN | CPU_LIT | VCC_1V8 | VDENC | RK3588S_Template_LP4XD556P164SD10H2_33X33_2133MHz_H1R0_V10_20220315YWQ
User.31: PWR | GND | USB | sensor
